# Altium PCB roach2.PcbDoc (part 33 of 39) (continued)
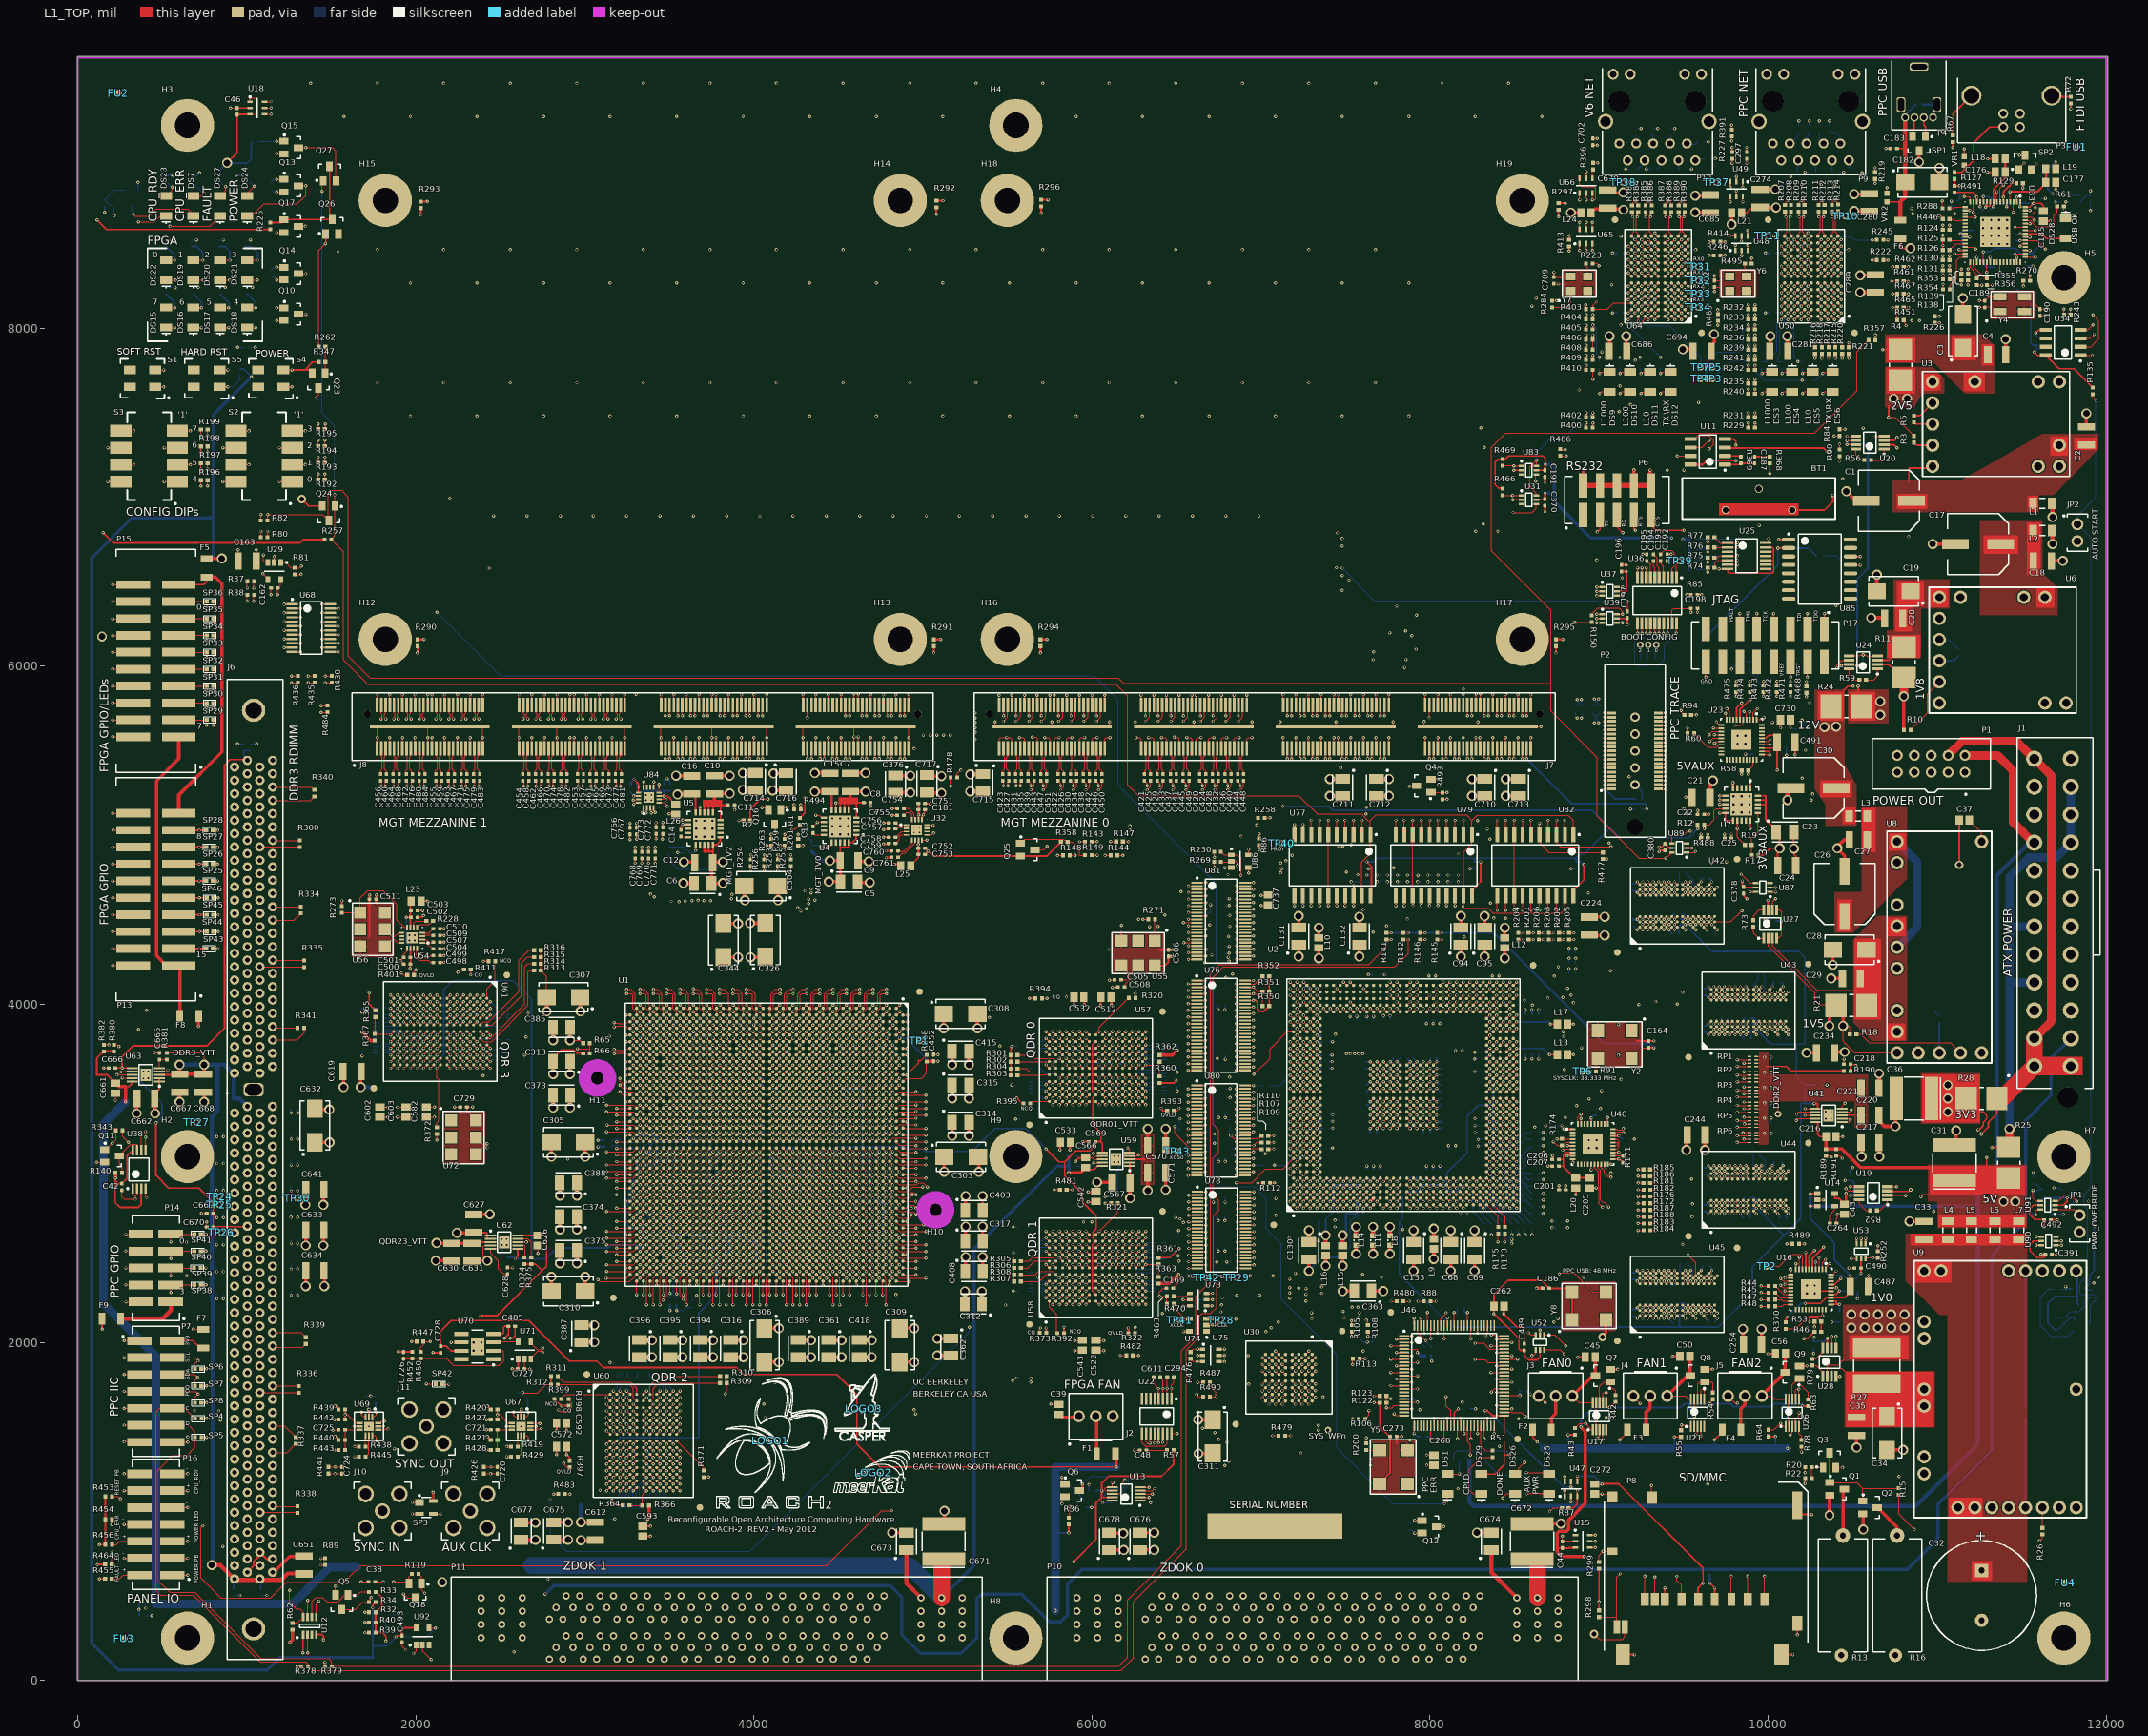
[diagram p0: L1_TOP view]
## Nets (pads, with @x,y where several pads share a name; then routed paths per layer and width w, separated by ;. In a path a pad name is that pad's centre, name@x,y a point inside that pad or via, vN(x,y) a via of type N, cw(c..) or ccw(c..) an arc to the next point about the centre after c; other vN are vias at no path point) (continued)
  L14_S w20: v5@9152.99,8692.99 9152.99,8622.99 9212.6,8563.39 v1(9212.6,8523.62) v1(9251.97,8523.62) ; 9213.58,8563.98 9214.57,8562.99 v1(9330.71,8562.99) 9370.08,8562.99 v1(9409.45,8523.62) v1(9448.82,8523.62)
  L16_BOT w10: C680.2@9192.91,8544.29 v1@9212.6,8524.61 ; C683.2@9232.28,8503.94 v1(9251.97,8523.62) ; C684.2@9311.02,8543.31 v1(9330.71,8562.99) ; C681.2@9389.76,8503.94 v1(9409.45,8523.62) ; C682.2@9429.13,8503.94 v1(9448.82,8523.62)
V6NET_TCK: U64.L9 U77.9 | length 4872
  L1_TOP w5: U77.9@7247.99,5004.09 v2(7247.99,5062.68) ; v1(9173.23,8484.25) U64.L9@9192.91,8464.57
  L5_S w3.8: v2(7247.99,5062.68) 7165.68,5144.99 7074.93,5144.99 7043.39,5176.53 7043.39,5191.05 7044.99,5192.65 7044.99,5296.99 6980.99,5360.99 6980.99,5805.99 8718.39,7543.39 9181.39,7543.39 v2(9186.99,7548.99)
  L8_R w3.8: v1(9173.23,8484.25) 9197,8460.48 9197,7727 9186.99,7716.99 v2(9186.99,7548.99)
V6NET_TDI: R485.2 U64.L7 | length 2232.3
  L1_TOP w5: v1(9251.97,8484.25) U64.L7@9271.65,8464.57 ; v2(9702.99,8016.72) R485.2@9702.99,8043.31
  L8_R w3.8: v2(9118.99,7506.99) 9118.99,7556.99 9107.39,7568.59 9107.39,8469.39 9146,8508 9228.22,8508 v1(9251.97,8484.25) ; v2(9588.99,7560.99) 9752.99,7724.99 9752.99,7966.72 v2(9702.99,8016.72)
  L9_R w3.8: v2(9118.99,7506.99) 9540.99,7506.99 9588.99,7554.99 v2(9588.99,7560.99)
V6NET_TDO: R486.1 U64.K8 | length 2429.7
  L1_TOP w5: R486.1@8774,7280 v2(8800,7280) ; v1(9212.6,8444.88) U64.K8@9232.28,8425.2
  L8_R w3.8: v2(8320.99,7294.99) 8333.31,7282.68 v2@8800,7282.68
  L9_R w3.8: v2(8320.99,7294.99) 8266.99,7348.99 8266.99,8004.99 8744.99,8482.99 9006.99,8482.99 9029.5,8460.48 9188.83,8460.48 9204.43,8444.88 v1(9212.6,8444.88)
V6NET_TMS: U64.L8 U79.3 | length 4323.7
  L1_TOP w5: U79.3@8147.99,5004.09 v2(8147.99,5088.42) ; v1(9212.6,8484.25) U64.L8@9232.28,8464.57
  L5_S w3.8: v2(8147.99,5088.42) 8147.99,5428.93 8130.68,5446.24 8130.68,5468.3 8147.99,5485.62 8147.99,6599.99 8314.99,6766.99 v2(8314.99,6840.99)
  L9_R w3.8: v2(8314.99,6840.99) 8314.99,6896.99 8252.99,6958.99 8252.99,8014.99 8732.99,8494.99 9012.99,8494.99 9039.33,8468.65 9197,8468.65 v1(9212.6,8484.25)
VBAT: BT1.1 BT1.3 U11.3 U85.14 | length 1674
  L1_TOP w10: U11.3@9745.36,7294 9748.8,7290.56 10329.44,7290.56 v2(10350,7270) ; BT1.3@10142.4,6924.37 10334.37,6924.37 10382.99,6972.99 v2(10382.99,7011.57) ; U85.14@10487.72,6649.8 v2(10546.3,6649.8)
  L5_S w10: v2(10350,7270) 10382.99,7237.01 v2(10382.99,7011.57) 10382.99,6960.99 10546.3,6797.69 v2(10546.3,6649.8)
VBUS_FTDI: P3.1 R127.1 VR1.2 | length 476.9
  L1_TOP w10: R127.1@11102.99,8922.68 11145.68,8922.68 11160,8937 VR1.2@11160,8964.41 11189.41,8964.41 11217,8992 11217,9098 11309.63,9190.63 P3.1@11390.79,9190.63
VCC_JTAG: C730.2 C731.2 P2.12 P17.6 R468.1 | length 1559.4
  L1_TOP w5: P2.12@9351.97,5398.99 v2(9391.67,5398.99) ; v2(10132.99,5934.95) P17.6@10132.99,6025.55 ; v3@10226.99,5817.31 v3(10226.99,5819.31) R468.1@10226.99,5843.31
  L1_TOP w10: v2(10132.52,5635.46) C730.2@10132.52,5682.99
  L9_R w3.8: v2(9391.67,5398.99) 10015.99,5398.99 10049,5432 10049,5474 10132.52,5557.52 v2(10132.52,5635.46) 10132.52,5653.52 10226.99,5747.99 v3(10226.99,5819.31) 10200.68,5819.31 10116.99,5902.99 10116.99,5903.06 10116.68,5903.37 10116.68,5916.6 10132.99,5932.91 v2(10132.99,5934.95)
  L16_BOT w5: v2(10132.52,5635.46) 10132.98,5635 10146,5635 10151,5630 C731.2@10170.31,5630
VMON_FAULTN: R44.2 R77.1 | length 5256.4
  L1_TOP w5: R77.1@9643.31,6762.99 v2(9643.31,6736.13) v2@9644.31,6735.13 ; v2(9958.4,2334.09) 9959.5,2332.99 R44.2@10003.31,2332.99
  L3_S w3.8: v2(9643.31,6736.13) 9670.17,6762.99 9850.99,6762.99 10122.99,6490.99 10122.99,6446.02 10134.8,6434.22 10134.8,5955.21 10148.59,5941.42 10148.59,5904.39 10134.8,5890.6 10134.8,5847.35 10116.68,5829.23 10116.68,5816.31 10125.82,5807.17 10136.85,5807.17 10140,5804.02 10140,5650.05 10148.12,5641.93 10148.12,5629 10140,5620.88 10140,5271.98 10223.01,5188.98 10303.15,5188.98 10350.79,5141.33 10350.79,5066.35 10256.21,4971.76 10255.35,4971.76 10213.77,4930.18 10213.77,3804.56 10297.41,3720.91 10297.41,3659.83 10223.59,3586 10223.59,3399.82 10234.59,3388.82 10234.59,3336.53 10223.59,3325.53 10223.59,3174.69 10206.99,3158.09 10206.99,2764.99 10128.99,2686.99 10128.99,2654.99 9958.4,2484.4 v2(9958.4,2334.09)
VMON_TCK: U16.11 U79.16 | length 6273.2
  L1_TOP w5: v3(8046.99,4584.41) U79.16@8046.99,4642.99 ; U16.11@10133.9,2401.57 v2(10133.9,2428.9) v2@10134,2429
  L3_S w3.8: v2@10134,2429 10134,2467 10150,2483 10196,2483 10204,2491 10204,2508 10165,2547 10165,2683 10232.99,2750.99 10232.99,3139.4 10255.19,3161.6 10255.19,3390.29 10249.59,3395.89 10249.59,3434 10253.39,3437.8 10253.39,3571.11 10329.01,3646.74 10329.01,3734 10245.37,3817.65 10245.37,4917.09 10275.56,4947.28 10276.42,4947.28 10382.39,5053.26 10382.39,5182.63 10320.92,5244.09 v6(10263.59,5244.09)
  L5_S w3.8: v3(8046.99,4584.41) 8046.99,4702.93 8062.59,4718.53 8062.59,4779.96 8046.99,4795.56 8046.99,4828.99 8140.99,4922.99 8318.99,4922.99 8354.99,4958.99 v2(8354.99,4976.99) ; v2(9664.99,4836.99) 9664.99,4998.99 9748.99,5082.99 9890.99,5082.99 9926.99,5118.99 9989.07,5118.99 10019.69,5149.61 10169.1,5149.61 v6(10263.59,5244.09)
  L14_S w3.8: v2@8351.39,4980.59 v2(8354.99,4976.99) 8410.99,4976.99 8463.59,5029.59 8463.59,5089.59 8510.79,5136.79 8604.79,5136.79 8618.99,5150.99 9102.99,5150.99 9140.99,5112.99 9386.99,5112.99 v2@9664.99,4834.99
VMON_TDI: R488.2 U16.10 | length 4037.1
  L1_TOP w5: R488.2@9642.68,4982.99 v3(9642.68,5006.52) ; U16.10@10164.41,2432.09 v2(10164.41,2464.98)
  L3_S w3.8: v2(10164.41,2464.98) 10214.45,2464.98 10223.46,2474 10223.46,2505.54 10185,2544 10185,2673 10266,2754 10266,3150.06 10270.99,3155.05 10270.99,3392.93 10257.39,3406.53 10257.39,3419.45 10269.19,3431.25 10269.19,3564.57 10344.81,3640.19 10344.81,3740.55 10261.17,3824.19 10261.17,4910.55 10286.73,4936.11 10287.59,4936.11 10398.19,5046.71 10398.19,5189.17 10309.17,5278.19 10270.99,5278.19 ; v2(10200.99,5336.99) 10204.99,5336.99 10263.79,5278.19 10270.99,5278.19 ; 10266.99,5278.19 10270.99,5278.19
  L5_S w3.8: v3(9642.68,5006.52) 9644.52,5006.52 9746.99,5108.99 9746.99,5210.99 9802.99,5266.99 9964.99,5266.99 10034.99,5336.99 v2(10200.99,5336.99)
VMON_TDO: R489.1 U16.12 U53.3 | length 728.5
  L1_TOP w5: v2(10101,2381.89) U16.12@10133.9,2381.89 ; v2(10110.99,2582.99) R489.1@10143.31,2582.99 ; U53.3@10524.41,2583.31 v2(10524.41,2614.74)
  L3_S w3.8: v2(10101,2381.89) 10101,2573 v2(10110.99,2582.99)
  L5_S w3.94: v2(10110.99,2582.99) 10176.98,2582.99 10208.73,2614.74 v2(10524.41,2614.74)
VMON_TMS: U16.9 U82.9 | length 5269.7
  L1_TOP w5: U82.9@8447.99,5004.09 v2(8447.99,5088.42) ; U16.9@10184.09,2432.09 v2(10184.09,2504)
  L3_S w3.8: v2(10184.09,2504) 10142.99,2545.1 10142.99,2680.99 10220.99,2758.99 10220.99,3149.74 10242.39,3171.14 10242.39,3392.05 10239.39,3395.05 10239.39,3579.46 10313.21,3653.28 10313.21,3727.46 10229.57,3811.1 10229.57,4923.64 10264.39,4958.45 10265.25,4958.45 10366.59,5059.8 10366.59,5176.08 10334.01,5208.66 v6(10255.39,5208.66)
  L5_S w3.8: v2(9753.99,4842.99) 9832.99,4842.99 10088.43,5098.43
  L5_S w3.94: 10088.43,5098.43 10145.16,5098.43 v6(10255.39,5208.66)
  L14_S w3.8: v2(8447.99,5088.42) 8447.99,5103.99 8492.99,5148.99 8580.99,5148.99 8598.99,5166.99 9120.99,5166.99 9160.99,5126.99 9398.99,5126.99 9682.99,4842.99 v2(9753.99,4842.99)
XAUI_CLK_N: U54.12 U56.4 | length 125.3
  L1_TOP w5: U56.4@1818.81,4342.99 1861.81,4385.99 1872,4385.99 1894.53,4363.46 U54.12@1916.97,4363.46
XAUI_CLK_P: U54.9 U56.5 | length 128.1
  L1_TOP w5: U56.5@1818.81,4442.99 1862.81,4398.99 1872,4398.99 1895.53,4422.52 U54.9@1916.97,4422.52 ; U54.9@1906.99,4420.99 U54.9@1908.99,4420.99
XAUI_CLKAC0_N: C507.1 U54.2 | length 73.1
  L1_TOP w5: U54.2@2039.02,4383.15 2062.83,4383.15 2080.99,4364.99 2100.31,4364.99 C507.1@2103.31,4367.99
XAUI_CLKAC0_P: C504.1 U54.1 | length 79
  L1_TOP w5: U54.1@2039.02,4363.46 2064.13,4363.46 2099.61,4327.99 C504.1@2103.31,4327.99
XAUI_CLKAC1_N: C499.1 U54.16 | length 151.9
  L1_TOP w5: U54.16@2007.52,4331.97 2007.52,4305.52 2004.99,4302.99 2004.99,4292.49 2022.99,4274.49 2075.49,4274.49 2088.99,4287.99 C499.1@2103.31,4287.99
XAUI_CLKAC1_P: C498.1 U54.15 | length 174.1
  L1_TOP w5: U54.15@1987.83,4331.97 1987.83,4307.15 1991.99,4302.99 1991.99,4287.11 2017.61,4261.49 2075.49,4261.49 2088.99,4247.99 C498.1@2103.31,4247.99
XAUI_CLKAC2_N: C509.1 U54.3 | length 67.7
  L1_TOP w5: U54.3@2039.02,4402.83 2046.31,4402.83 2052.99,4409.52 2101.78,4409.52 C509.1@2103.31,4407.99
XAUI_CLKAC2_P: C510.1 U54.4 | length 74.8
  L1_TOP w5: U54.4@2039.02,4422.52 2077.83,4422.52 C510.1@2103.31,4447.99
XAUI_CLKREF0_N: C507.2 U1.AT7 | length 1634
  L1_TOP w5: v1(3483.35,3758.31) 3502.72,3738.94 U1.AT7@3503.04,3738.62
  L1_TOP w10: C507.2@2142.68,4367.99 v2(2166.99,4367.99)
  L3_S w3.8: v2(2166.99,4367.99) 2180.65,4354.33 2261.77,4354.33 2429.13,4186.97 2450.83,4186.97 2631.93,4005.86 2856.34,4005.86 3068.94,3793.26 3206.74,3793.26 3257.29,3742.71 3467.75,3742.71 v1(3483.35,3758.31)
XAUI_CLKREF0_P: C504.2 U1.AT8 | length 1634.5
  L1_TOP w5: v1(3483.35,3718.94) 3502.72,3699.57 U1.AT8@3503.04,3699.25
  L1_TOP w10: C504.2@2142.68,4327.99 v2(2166.99,4327.99)
  L3_S w3.8: v2(2166.99,4327.99) 2183.53,4344.53 2257.71,4344.53 2425.07,4177.17 2446.77,4177.17 2627.87,3996.06 2852.28,3996.06 3064.88,3783.46 3202.68,3783.46 3246.32,3739.82 3251.6,3734.54 3467.75,3734.54 v1(3483.35,3718.94)
XAUI_CLKREF1_N: C499.2 U1.AD7 | length 2110
  L1_TOP w5: v1(3955.79,3758.31) U1.AD7@3975.16,3738.94
  L1_TOP w10: C499.2@2142.68,4287.99 v2(2166.99,4287.99)
  L3_S w3.8: v2(2166.99,4287.99) 2194.25,4287.99 2212.6,4269.64 2285.48,4269.64 2647.68,3907.44 2889.89,3907.44 3034.61,3762.71 3186.11,3762.71 3233.29,3715.53 3267.85,3715.53 3280.04,3703.34 3885.84,3703.34 3900.82,3718.32 3900.82,3726.04 3910.86,3736.07 3933.56,3736.07 v1(3955.79,3758.31)
XAUI_CLKREF1_P: C498.2 U1.AD8 | length 2088.8
  L1_TOP w5: v1(3955.79,3718.94) U1.AD8@3975.16,3699.57
  L1_TOP w10: C498.2@2142.68,4247.99 v2(2166.99,4247.99)
  L3_S w3.8: v2(2166.99,4247.99) 2200.75,4247.99 2212.6,4259.84 2281.42,4259.84 2643.62,3897.64 2885.83,3897.64 3030.55,3752.91 3182.05,3752.91 3229.23,3705.73 3262.77,3705.73 3272.97,3695.54 3932.39,3695.54 v1(3955.79,3718.94)
XAUI_CLKREF2_N: C510.2 U1.K7 | length 2851.3
  L1_TOP w5: U1.K7@4526.66,3738.62 4527.88,3739.84 v1(4546.35,3758.31)
  L1_TOP w10: C510.2@2142.68,4447.99 v2(2166.99,4447.99)
  L5_S w3.8: v2(2166.99,4447.99) 2181.91,4433.07 2316.89,4433.07 2724.41,4025.55 2781.54,4025.55 2883.9,3923.19 3017.88,3923.19 3078.74,3862.33 3078.74,3748.03 3133.92,3692.86 3182.36,3692.86 3192.47,3702.97 4513.07,3702.97 4526.49,3716.39 4526.49,3738.45 v1(4546.35,3758.31)
XAUI_CLKREF2_P: C509.2 U1.K8 | length 2825
  L1_TOP w5: U1.K8@4526.66,3699.25 4527.88,3700.47 v1(4546.35,3718.94)
  L1_TOP w10: C509.2@2142.68,4407.99 v2(2166.99,4407.99)
  L5_S w3.8: v2(2166.99,4407.99) 2182.27,4423.27 2312.83,4423.27 2720.35,4015.75 2777.48,4015.75 2879.84,3913.39 3013.82,3913.39 3068.94,3858.27 3068.94,3743.97 3128.32,3684.59 3193.09,3684.59 3203.67,3695.17 4522.58,3695.17 v1(4546.35,3718.94)
XL.DOEN: R476.1 U1.AF35 U75.3 | length 3885.4
  L1_TOP w5: v1(3877.05,2616.57) U1.AF35@3896.74,2636.26 ; R476.1@6582.99,1903.31 6599.88,1886.42 v2(6622.89,1886.42) U75.3@6656.89,1886.42
  L8_R w3.8: v3(4058.99,1634.99) 4116.99,1692.99 6494.99,1692.99 6562.99,1760.99 6562.99,1826.52 v2(6622.89,1886.42)
  L9_R w3.8: v1(3877.05,2616.57) 3896.64,2596.99 3896.64,2331.35 3914.99,2312.99 3914.99,2078.99 3898.99,2062.99 3898.99,1794.99 v3(4058.99,1634.99)
XL.PADDR5: U1.AT14 U76.2 | length 4389.9
  L1_TOP w5: v1(3483.34,3482.21) 3483.34,3482.71 v1@3483.6,3482.47 ; v1@3483.6,3482.47 3502.72,3463.35 U1.AT14@3503.04,3463.03 ; v1@6569.83,4121.01 6569.89,4121.01 U76.2@6620.83,4121.01 U76.2@6637.77,4121.01
  L14_S w3.8: v1@3484.24,3483.74 3459.19,3508.79 3459.19,3554.61 3459.58,3554.99 3459.58,3791.85 3460.48,3792.75 3460.48,4004.76 3460.85,4005.13 3450.99,4014.99 3450.99,4156.99 3526.99,4232.99 4513.9,4232.99 4873.29,4592.39 6287.6,4592.39 6496.99,4382.99 6496.99,4362.99 6530.99,4328.99 6530.99,4274.99 6569.89,4236.09 v1(6569.89,4121.09)
XL.PADDR6: U1.AR14 U76.3 | length 4423.8
  L1_TOP w5: v1(3522.72,3482.72) 3542.09,3463.35 U1.AR14@3542.41,3463.03 ; U76.3@6603.89,4101.33 U76.3@6620.83,4101.33 6669.89,4101.33 v1@6671.83,4101.33
  L14_S w3.8: v1(3522.72,3482.72) 3522.72,3500.02 3538.32,3515.62 3538.32,3791.85 3539.22,3792.75 3539.22,3923.79 3526.99,3936.01 3526.99,4156.99 3554.99,4184.99 4543.96,4184.99 4896.16,4537.19 6194.8,4537.19 6262.99,4468.99 6262.99,4374.99 6268.99,4368.99 6474.99,4368.99 6520.99,4322.99 6520.99,4264.99 6548.99,4236.99 6548.99,4114.99 6562.99,4100.99 6669.16,4100.99 v1(6669.89,4101.72)
XL.PADDR7: U1.AR15 U76.5 | length 4440.8
  L1_TOP w5: v1(3522.72,3443.35) 3542.09,3423.98 U1.AR15@3542.41,3423.66 ; U76.5@6603.89,4061.96 U76.5@6620.83,4061.96 6669.89,4061.96 v1@6671.83,4061.96
  L14_S w3.8: v1@3523.62,3444.88 3547.24,3468.5 3547.24,3474.76 3546.49,3475.51 3546.49,3764.77 3547.24,3765.52 3547.24,4038.74 3542.99,4042.99 3542.99,4156.99 3558.99,4172.99 4551.48,4172.99 4901.87,4523.39 6150.6,4523.39 6230.99,4442.99 6230.99,4390.99 6262.99,4358.99 6468.99,4358.99 6504.99,4322.99 6504.99,4262.99 6536.99,4230.99 6536.99,4084.99 6558.99,4062.99 6669.25,4062.99 v1(6669.89,4062.35)
XL.PADDR8: U1.AP15 U76.6 | length 4209.3
  L1_TOP w5: v1(3562.09,3443.35) 3581.46,3423.98 U1.AP15@3581.78,3423.66 ; v1@6569.83,4042.27 6569.89,4042.27 U76.6@6620.83,4042.27 U76.6@6637.77,4042.27
  L14_S w3.8: v1@3562.99,3444.88 3562.99,3459.99 3585.86,3482.86 3585.86,3764.77 3586.76,3765.67 3586.76,4107.22 3624.53,4144.99 4566.93,4144.99 4908.33,4486.39 5963.66,4486.39 6042.99,4407.06 6042.99,4406.99 6114.99,4406.99 6202.99,4318.99 6458.99,4318.99 6458.99,4318.93 6470.53,4307.39 6484.59,4307.39 6492.99,4298.99 6492.99,4258.99 6520.99,4230.99 6520.99,4070.99 6548.99,4042.99 6569.25,4042.99 v1(6569.89,4042.35)
XL.PADDR9: U1.AN13 U76.8 | length 4096.7
  L1_TOP w5: v1(3601.46,3522.09) 3620.83,3502.72 U1.AN13@3621.15,3502.4 ; v1@6569.83,4002.9 6569.89,4002.9 U76.8@6620.83,4002.9 U76.8@6637.77,4002.9
  L14_S w3.8: v1@3602.36,3523.62 3616.75,3538.01 3617.06,3538.33 3617.06,3791.85 3617.96,3792.75 3617.96,3925 3606.99,3935.97 3606.99,4102.99 3637.19,4133.19 4571.82,4133.19 4913.22,4474.59 5958.77,4474.59 6040.37,4392.99 6106.99,4392.99 6216.99,4282.99 6440.99,4282.99 6468.99,4254.99 6480.99,4254.99 6508.99,4226.99 6508.99,4058.99 6554.99,4012.99 6559.88,4012.99 v1(6569.89,4002.98)
XL.PADDR10: U1.AN14 U76.9 | length 4222.3
  L1_TOP w5: v1(3601.46,3482.72) 3620.83,3463.35 U1.AN14@3621.15,3463.03 ; U76.9@6603.89,3983.22 U76.9@6620.83,3983.22 6669.89,3983.22 v1@6671.83,3983.22
  L14_S w3.8: v1(3601.46,3482.72) 3601.46,3495.46 3625.23,3519.23 3625.23,3528.55 3625.33,3528.65 3625.33,3554 3625.23,3554.1 3625.23,3764.77 3626.13,3765.67 3626.13,3995.49 3625.76,3995.86 3625.76,4057.12 3620.99,4061.89 3620.99,4094.99 3647.39,4121.39 4576.7,4121.39 4918.1,4462.79 5953.88,4462.79 6033.68,4382.99 6094.99,4382.99 6206.99,4270.99 6370.99,4270.99 ; 6372.99,4270.99 6370.99,4270.99 ; v1(6669.89,3983.61) 6669.27,3982.99 6556.99,3982.99 6490.99,4048.99 6490.99,4218.99 6438.99,4270.99 6370.99,4270.99
XL.PADDR11: U1.AM12 U76.10 | length 4002.6
  L1_TOP w5: v1(3640.83,3561.46) 3660.2,3542.09 U1.AM12@3660.52,3541.77 ; v1@6569.83,3963.53 6569.89,3963.53 U76.10@6620.83,3963.53 U76.10@6637.77,3963.53
  L14_S w3.8: v1(3640.83,3561.46) 3640.83,3578.77 3656.43,3594.37 3656.43,3791.85 3657.33,3792.75 3657.33,4092.62 3674.3,4109.59 4581.59,4109.59 4922.99,4450.99 5948.99,4450.99 6028.99,4370.99 6090.99,4370.99 6202.99,4258.99 6428.99,4258.99 6476.99,4210.99 6476.99,4030.99 6544.99,3962.99 6569.27,3962.99 v1(6569.89,3963.61)
XL.PADDR12: U1.AM13 U76.12 | length 4058.9
  L1_TOP w5: v1(3640.83,3522.09) 3660.2,3502.72 U1.AM13@3660.52,3502.4 ; v1@6569.83,3924.16 v1(6569.89,3924.24) U76.12@6620.83,3924.16 U76.12@6637.77,3924.16
  L14_S w3.8: v1@3641.73,3523.62 3641.73,3539.73 3664.6,3562.6 3664.6,3764.77 3665.5,3765.67 3665.5,4031.5 3680.99,4046.99 4632.99,4046.99 4642.99,4056.99 4642.99,4152.99 4643.62,4152.99 4929.22,4438.59 5706.77,4438.59 5782.77,4362.59 6085.39,4362.59 6202.99,4244.99 6420.99,4244.99 6460.99,4204.99 6460.99,4028.99 6552.99,3936.99 6557.14,3936.99 v1(6569.89,3924.24)
XL.PADDR13: U1.AV14 U76.13 | length 4468.7
  L1_TOP w5: v1(3404.61,3482.72) 3423.98,3463.35 U1.AV14@3424.3,3463.03 ; U76.13@6603.89,3904.48 U76.13@6620.83,3904.48 6669.89,3904.48 v1@6671.83,3904.48
  L14_S w3.8: v1@3405.51,3484.25 3405.83,3483.93 3423.77,3465.99 3466.02,3465.99 3512.32,3419.69 3571.53,3419.69 3585.86,3434.02 3585.86,3449.81 3595.37,3459.32 3611.16,3459.32 3624.86,3473.02 3624.86,3489.45 3625.5,3489.45 3634.37,3498.32 3639.82,3498.32 ; 3639.99,3498.49 3639.82,3498.32 ; v1(6669.89,3904.87) 6669.77,3904.99 6552.99,3904.99 6440.99,4016.99 6440.99,4194.99 6404.99,4230.99 6170.99,4230.99 6062.99,4338.99 5772.99,4338.99 5696.99,4414.99 4938.99,4414.99 4672.99,4148.99 4672.99,4048.99 4648.99,4024.99 3720.99,4024.99 3704.5,4008.5 3704.5,3765.3 3703.97,3764.77 3703.97,3600.49 3703.6,3600.12 3703.6,3551.76 3689.9,3538.06 3674.11,3538.06 3664.23,3528.18 3664.23,3512.39 3650.53,3498.69 3640.19,3498.69 3639.82,3498.32
XL.PADDR14: U1.AJ32 U76.14 | length 4830.2
  L1_TOP w5: v1(3758.94,2734.68) U1.AJ32@3778.63,2754.37 ; v1@6569.83,3884.79 U76.14@6620.83,3884.79 U76.14@6637.77,3884.79
  L14_S w3.8: v1@3759.84,2736.22 3743.07,2752.99 3674.99,2752.99 3656.43,2771.55 3656.43,3493.56 3669.36,3506.49 3686.67,3506.49 3698.11,3517.93 3698.11,3527.11 3710.22,3539.22 3721.22,3539.22 3735.54,3553.54 3735.54,3792.22 3736.07,3792.75 3736.07,4002.07 3748.99,4014.99 4680.99,4014.99 4723.79,4057.79 4723.79,4144.89 4952.82,4373.92 5630.6,4373.92 5689.52,4315 6039.91,4315 6158.06,4196.85 6385.13,4196.85 6414.99,4166.99 6414.99,4004.99 6535.11,3884.87 v1(6569.89,3884.87)
XL.PADDR15: U1.AJ31 U76.15 | length 4905.6
  L1_TOP w5: v1(3758.94,2774.05) U1.AJ31@3778.63,2793.74 ; U76.15@6603.89,3865.11 U76.15@6620.83,3865.11 v1@6671.83,3865.11
  L14_S w3.8: v1@3759.84,2781.87 3759.84,2775.59 3740.44,2794.99 3674.99,2794.99 3664.6,2805.38 3664.6,3489.18 3673.74,3498.32 3719.82,3498.32 3743.34,3521.84 3743.34,3764.77 3744.24,3765.67 3744.24,3970.24 3754.46,3980.46 4711.19,3980.46 4711.72,3980.99 4712.79,3980.99 4734.09,4002.29 4734.09,4138.5 4957.71,4362.12 5625.72,4362.12 5689.44,4298.39 6039.83,4298.39 6153.18,4185.05 6370.93,4185.05 6392.99,4162.99 6392.99,3996.99 6524.99,3864.99 6669.38,3864.99 v1(6669.89,3865.5)
XL.PADDR16: U1.AK30 U76.16 | length 4641.9
  L1_TOP w5: v1(3719.57,2813.42) U1.AK30@3739.26,2833.11 ; v1@6569.83,3845.42 U76.16@6620.83,3845.42 U76.16@6637.77,3845.42
  L14_S w3.8: v1@3721.28,2808.7 3696.17,2833.81 3696.17,3452.67 3706.99,3463.49 3730.49,3463.49 3738.99,3471.99 3738.99,3489.49 3750.99,3501.49 3760.41,3501.49 3774.54,3515.62 3774.54,3791.85 3775.44,3792.75 3775.44,3932.41 3783.75,3940.72 4711.02,3940.72 4743.89,3973.59 4743.89,4131.61 4962.6,4350.32 5620.83,4350.32 5691.15,4279.99 6041.55,4279.99 6148.29,4173.25 6342.73,4173.25 6372.99,4142.99 6372.99,3988.99 6516.99,3844.99 6569.38,3844.99 v1(6569.89,3845.5)
XL.PADDR17: U1.AJ30 U76.17 | length 4746.1
  L1_TOP w5: v1(3758.94,2813.42) U1.AJ30@3778.63,2833.11 ; U76.17@6603.89,3825.74 U76.17@6620.83,3825.74 v1@6671.83,3825.74
  L14_S w3.8: v1@3759.84,2814.96 3737.61,2837.19 3713.11,2837.19 3703.97,2846.33 3703.97,3410.44 3713.53,3419.99 3726.99,3419.99 3737.99,3430.99 3737.99,3444.99 3753.49,3460.49 3774.99,3460.49 3782.71,3468.21 3782.71,3764.77 3783.61,3765.67 3783.61,3923.79 3792.75,3932.92 4719.92,3932.92 4753.59,3966.59 4753.59,4124.62 4967.49,4338.52 5615.94,4338.52 5669.39,4285.06 5682.26,4272.19 6032.66,4272.19 6143.4,4161.45 6326.53,4161.45 6350.99,4136.99 6350.99,3988.99 6514.99,3824.99 6668.75,3824.99 v1(6669.89,3826.13)
XL.PADDR18: U1.AK33 U76.19 | length 4876.4
  L1_TOP w5: v1(3719.57,2695.31) U1.AK33@3739.26,2715 ; U76.19@6603.89,3786.37 U76.19@6620.83,3786.37 v1@6671.83,3786.37
  L14_S w3.8: v1@3720.47,2696.85 3737.78,2696.85 3753.38,2712.45 3760.45,2712.45 3775.44,2727.44 3775.44,2821.42 3767.84,2829.02 3758.64,2829.02 3735.17,2852.49 3735.17,3417.14 3745.78,3427.75 3804.78,3427.75 3813.91,3436.88 3813.91,3791.85 3814.81,3792.75 3814.81,3888.14 3828.36,3901.69 4750.53,3901.69 4765.39,3916.56 4765.39,4113.11 4979,4326.72 5613.49,4326.72 5688.61,4251.59 6036.57,4251.59 6113.97,4174.19 6118.35,4174.19 6134.19,4158.35 6134.19,4153.97 6138.51,4149.65 6312.77,4149.65 6330.99,4131.43 6330.99,3986.99 6530.99,3786.99 6669.66,3786.99 v1(6669.89,3786.76)
XL.PADDR19: U1.AH30 U76.20 | length 4620.2
  L1_TOP w5: v1(3798.31,2813.42) U1.AH30@3818,2833.11 ; v1@6569.83,3766.68 U76.20@6620.83,3766.68 U76.20@6637.77,3766.68
  L14_S w3.8: v1@3799.21,2814.96 3777.12,2837.06 3774.54,2839.63 3774.54,2862.21 3768.36,2868.39 3759.49,2868.39 3743.34,2884.54 3743.34,3414.28 3748.64,3419.58 3815.08,3419.58 3822.08,3426.58 3822.08,3764.77 3822.98,3765.67 3822.98,3884.42 3832.46,3893.89 4756.83,3893.89 4799.07,3936.13 4799.07,4056.75 4799.84,4057.53 4799.84,4130.87 4983.89,4314.92 5606.17,4314.92 5683.08,4238 6033.48,4238 6105.08,4166.39 6112.68,4166.39 6126.39,4152.68 6126.39,4145.08 6131.48,4139.99 6137.15,4139.99 6139.29,4137.85 6296.13,4137.85 6314.99,4118.99 6314.99,3974.99 6522.99,3766.99 6569.66,3766.99 v1(6569.89,3766.76)
XL.PADDR20: U1.AH29 U76.21 | length 4611.1
  L1_TOP w5: v1(3798.31,2852.79) U1.AH29@3818,2872.48 ; U76.21@6603.89,3747 U76.21@6620.83,3747 v1@6671.83,3747
  L14_S w3.8: v1@3799.21,2854.33 3793.45,2854.33 3774.54,2873.24 3774.54,3372.04 3786.99,3384.49 3840.26,3384.49 3853.28,3397.51 3853.28,3791.85 3854.18,3792.75 3854.18,3856.18 3860.79,3862.79 3861.23,3862.35 4750.56,3862.35 4759.7,3871.49 4759.7,3881.7 4808.99,3930.99 4808.99,4113.68 4998.43,4303.12 5601.28,4303.12 5679,4225.39 6029.4,4225.39 6096.2,4158.59 6109.45,4158.59 6118.59,4149.45 6118.59,4136.2 6122.6,4132.19 6133.92,4132.19 6140.06,4126.05 6279.93,4126.05 6296.99,4108.99 6296.99,3966.99 6516.99,3746.99 6669.49,3746.99 v1(6669.89,3747.39)
XL.PADDR21: U1.AG29 U76.23 | length 4646.5
  L1_TOP w5: v1(3837.68,2852.79) U1.AG29@3857.37,2872.48 ; U76.23@6603.89,3707.63 U76.23@6620.83,3707.63 v1@6671.83,3707.63
  L14_S w3.8: v1@3838.58,2854.33 3821.27,2854.33 3805.67,2869.93 3798.49,2869.93 3782.71,2885.7 3782.71,3331.7 3791.85,3340.84 3848.84,3340.84 3861.45,3353.45 3861.45,3764.77 3862.35,3765.67 3862.35,3845.05 3871.49,3854.18 4753.42,3854.18 4800.96,3901.72 4829.3,3901.72 4838.99,3911.42 4838.99,4106.37 4867.31,4134.69 5023.94,4291.32 5596.39,4291.32 5677.71,4210 6028.1,4210 6087.39,4150.71 6087.39,4136.53 6099.53,4124.39 6130.68,4124.39 6140.83,4114.25 6263.73,4114.25 6284.99,4092.99 6284.99,3960.99 6487.76,3758.22 6487.76,3721.53 6502.3,3706.99 6668.86,3706.99 v1(6669.89,3708.02)
XL.PADDR22: U1.AD30 U76.24 | length 4588.1
  L1_TOP w5: v1(3955.79,2813.42) U1.AD30@3975.48,2833.11 ; v1@6569.83,3687.94 U76.24@6620.83,3687.94 U76.24@6637.77,3687.94
  L14_S w3.8: v1@3956.69,2814.96 3937.66,2833.99 3937.66,2861.82 3926.99,2872.49 3833.49,2872.49 3820.49,2885.49 3820.49,3295.49 3834.64,3309.64 3844.15,3309.64 3853.28,3318.77 3853.28,3328.28 3868.49,3343.49 3878,3343.49 3892.65,3358.14 3892.65,3791.85 3893.55,3792.75 3893.55,3808.54 3908,3822.98 3910.84,3822.98 4789.93,3822.98 4878.99,3912.05 4878.99,4129.68 5028.83,4279.52 5591.5,4279.52 5677.02,4194 6027.41,4194 6075.59,4145.82 6075.59,4137.3 6096.3,4116.59 6127.45,4116.59 6141.6,4102.45 6253.53,4102.45 6272.99,4082.99 6272.99,3952.99 6472.99,3752.99 6472.99,3716.99 6501.96,3688.02 v1(6569.89,3688.02)
XL.PADDR23: U1.AC30 U80.2 | length 4658.8
  L1_TOP w5: v1(3995.16,2813.42) U1.AC30@4014.85,2833.11 ; v1@6569.83,3500.07 U80.2@6620.83,3500.07 U80.2@6637.77,3500.07
  L14_S w3.8: v1@3996.06,2814.96 3976.99,2834.03 3976.99,2899.99 3961.05,2915.93 3870.59,2915.93 3861.45,2925.07 3861.45,3292.33 3870.59,3301.47 3885.74,3301.47 3900.82,3316.55 3900.82,3764.77 3901.72,3765.67 3901.72,3805.68 3911.23,3815.18 4793.16,3815.18 4886.79,3908.82 4886.79,4120.79 ; 4886.99,4120.99 4886.79,4120.79 ; v1(6569.89,3499.72) 6569.99,3499.82 6569.99,3568.99 6460.99,3677.99 6460.99,3742.99 6254.99,3948.99 6254.99,4038.99 6203.33,4090.65 6132.71,4090.65 6127.45,4085.39 6114.53,4085.39 6065.92,4134 5652.85,4134 5519.13,4267.72 5033.72,4267.72 4886.79,4120.79
XL.PADDR24: U1.AY13 U76.26 | length 5321.3
  L1_TOP w5: v1(3325.87,3522.09) 3345.24,3502.72 U1.AY13@3345.56,3502.4 ; v1@6569.83,3648.57 U76.26@6620.83,3648.57 U76.26@6637.77,3648.57
  L9_R w3.8: v2(6526.99,4666.99) 6525.39,4665.39 6525.39,4475.59 6545.99,4454.99 6545.99,4384.34 6558.85,4371.48 6558.85,4355.47 6545.99,4342.6 6545.99,3672.55 v1(6569.89,3648.65)
  L14_S w3.8: v1(3325.87,3522.09) 3310.27,3537.69 3310.27,3788.99 3310.8,3789.52 3310.8,4029.18 3304.99,4034.99 3304.99,4156.99 3464.99,4316.99 3532.99,4316.99 3632.99,4416.99 4210.99,4416.99 4310.99,4316.99 4461.28,4316.99 4833.28,4688.99 6507,4688.99 v2@6526.99,4668.99
XL.PADDR25: U1.AV13 U76.27 | length 5162.9
  L1_TOP w5: v1(3404.61,3522.09) 3423.98,3502.72 U1.AV13@3424.3,3502.4 ; U76.27@6603.89,3628.89 U76.27@6620.83,3628.89 6669.89,3628.89 v1@6671.83,3628.89
  L9_R w3.8: v2(6430.99,4528.99) 6522.99,4436.99 6522.99,3661.99 6554.99,3629.99 6669.18,3629.99 v1(6669.89,3629.28)
  L14_S w3.8: v1@3405.51,3523.62 3389.01,3540.12 3389.01,3764.77 3389.91,3765.67 3389.91,4038.55 3382.36,4046.1 3382.36,4156.99 3494.36,4268.99 3584.99,4268.99 3664.99,4348.99 4178.99,4348.99 4258.99,4268.99 4491.35,4268.99 4856.14,4633.79 6200.99,4633.79 ; 6203.03,4633.79 6200.99,4633.79 ; v2(6430.99,4528.99) 6326.2,4633.79 6200.99,4633.79
XL.PADDR26: U1.AD31 U80.3 | length 4575.6
  L1_TOP w5: v1(3955.79,2774.05) U1.AD31@3975.48,2793.74 ; U80.3@6603.89,3480.38 U80.3@6620.83,3480.38 v1@6671.83,3480.38
  L14_S w3.8: v1(3955.79,2774.05) 3979.56,2797.82 4001.63,2797.82 4010.76,2806.96 4010.76,3733.26 4019.49,3741.99 4045.99,3741.99 4051.03,3747.03 4051.03,3767.03 4067.61,3783.61 4789.93,3783.61 4799.07,3792.75 4799.07,3810.06 4871,3881.99 4913.99,3881.99 4928.99,3896.99 4928.99,4134.99 5044.99,4250.99 5511.9,4250.99 5642.89,4120 6052.98,4120 6103.99,4068.99 6196.99,4068.99 6247.19,4018.79 6247.19,3941.79 6444.99,3743.99 6444.99,3632.99 6550.99,3526.99 6550.99,3496.56 6567.56,3479.99 6670.16,3479.99 v1(6671.89,3481.72)
XL.PADDR27: U1.AB31 U80.5 | length 4532.1
  L1_TOP w5: v1(4034.53,2774.05) U1.AB31@4054.22,2793.74 ; U80.5@6603.89,3441.01 U80.5@6620.83,3441.01 v1@6671.83,3441.01
  L14_S w3.8: v1(4034.53,2774.05) 4054.99,2794.51 4054.99,3704.99 4061.99,3711.99 4061.99,3761.99 4075.44,3775.44 4792.79,3775.44 4806.87,3789.52 4806.87,3805.87 4875.19,3874.19 4917.22,3874.19 4946.99,3903.96 4946.99,4126.99 5057.99,4237.99 5513.87,4237.99 5643.86,4108 6037.98,4108 6091.99,4053.99 6190.99,4053.99 6238.99,4005.99 6238.99,3934.99 6303.3,3870.69 6303.3,3832.12 6312.44,3822.98 6344,3822.98 6429.99,3736.99 6429.99,3592.99 6546.99,3475.99 6546.99,3457.99 6563.99,3440.99 6670.53,3440.99 v1(6671.89,3442.35)
XL.PADDR28: U1.AC31 U80.6 | length 4471.6
  L1_TOP w5: v1(3995.16,2774.05) U1.AC31@4014.85,2793.74 ; v1@6569.83,3421.33 U80.6@6620.83,3421.33 U80.6@6637.77,3421.33
  L14_S w3.8: v1(3995.16,2774.05) 4011.23,2757.99 4053.49,2757.99 4073.99,2778.49 4073.99,3728.42 4088.28,3742.71 4830.71,3742.71 4963.99,3875.99 4963.99,4115.99 5067.99,4219.99 5507.99,4219.99 5631.98,4096 6026.98,4096 6084.99,4037.99 6182.99,4037.99 6228.99,3991.99 6228.99,3929.99 6295.5,3863.49 6295.5,3828.89 6309.21,3815.18 6325.8,3815.18 6404.99,3735.99 6404.99,3557.99 6541.99,3420.99 v1(6569.89,3420.98)
XL.PADDR29: U1.AA30 U80.8 | length 4360.3
  L1_TOP w5: U1.AA30@4093.59,2833.11 v1(4113.28,2813.42) ; v1@6569.83,3381.96 U80.8@6620.83,3381.96 U80.8@6637.77,3381.96
  L14_S w3.8: v1@4114.17,2814.96 4087.99,2841.14 4087.99,3716.35 4106.18,3734.54 4860.54,3734.54 4980.99,3854.99 4980.99,4109.99 5071.99,4200.99 5509.99,4200.99 5634.98,4076 6018.98,4076 6071.99,4022.99 6170.99,4022.99 6217.99,3975.99 6217.99,3926.99 6254.99,3889.99 6254.99,3846.58 6255.76,3845.81 6255.76,3824.23 6263.99,3815.99 6284.81,3815.99 6295.5,3805.31 6295.5,3798.49 6318.54,3775.44 6340.54,3775.44 6367.99,3747.99 6367.99,3559.99 6545.99,3381.99 6569.51,3381.99 v1(6569.89,3381.61)